# Altium PCB Gesturelink V1.PcbDoc (part 8 of 9)
Units mil, origin at the board's own origin, x right, y up, seen from the top; angles counter-clockwise.
Board outline 1574.8 x 1377.95 mil, 12 copper layers (SIG_1, GND_1, HI_SPEED_SIG_1, HI_SPEED_SIG_2, GND_2, PWR_1, PWR_2, GND_3, SIG_2, SIG_3, GND, SIG_4), stack 76.312 mil thick; 506 components, 440 nets, 2250 pads, 1330 vias.
Unrouted connection lines stored in the file: 20.
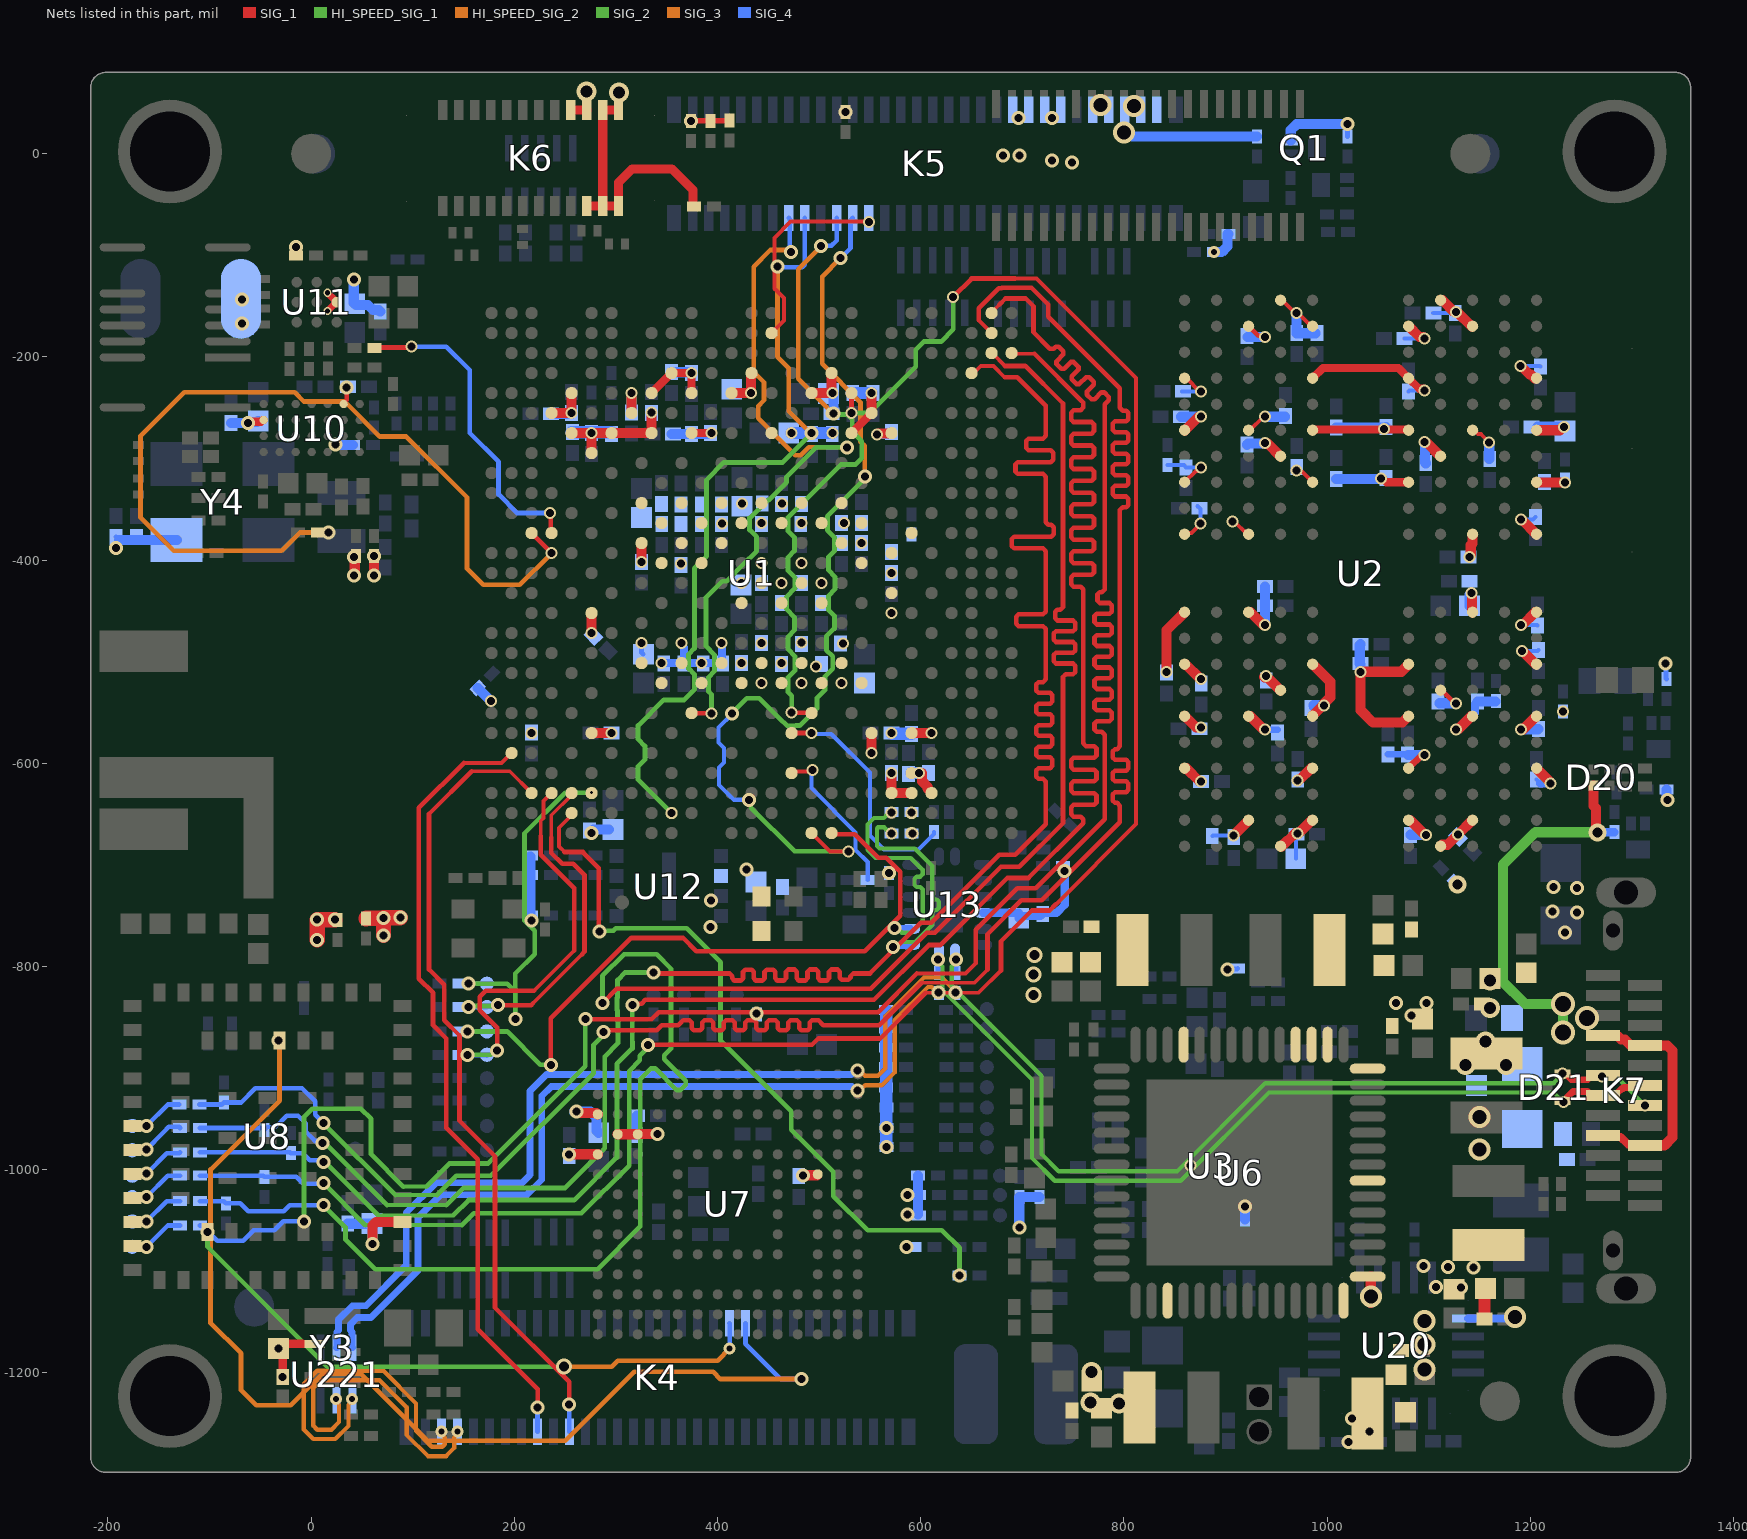
[diagram p18: the nets of this part, all layers, seen from the top]

## Nets (pads, with @x,y where several pads share a name; then routed paths per layer and width w, separated by ;. In a path a pad name is that pad's centre, name@x,y a point inside that pad or via, vN(x,y) a via of type N, cw(c..) or ccw(c..) an arc to the next point about the centre after c; other vN are vias at no path point) (continued)
SYS_1V8: C72.2 C73.2 C74.2 C75.2 C76.2 C77.2 C78.2 C79.2 C80.2 C81.2 C82.2 C93.2 C94.2 C187.2 C188.2 C189.2 C190.2 C191.2 C192.2 C230.2 C231.2 C248.2 C249.2 C250.2 DNC.2 K5.41 K5.43 K6.18 K6.20 L3.2 L4.2 R119.2 U1.AAE1 U1.AB3 U1.AB6 U1.AD22 U1.AE23 U1.AG6 U1.F20 U1.G5 U1.G7 U1.G9 U1.G19 U1.H6 U6.17 U6.35 U10.C7 U10.D2 Y3.4 | length 574.7
  SIG_1 w4.2: v54(-32,-1175.99) C230.2@-28,-1179.99 ; v1(216.94,-570.31) U1.AB3@219.1,-570.31 ; v1(551.58,-235.67) v1@553,-235.67
  SIG_1 w4.63: U10.D2@31.99,-246.5 31.99,-245.53 35,-242.52 v2(35,-229.99) ; v14(42,-415.36) v14@43,-414.36 ; v14(42,-396.99) R119.2@43,-397.99 ; v2(71.11,-752.36) v2@71.29,-752.17 ; v2@87.82,-752.17 v2(88,-751.99) ; C187.2@1155,-1117.82 C187.2@1155.83,-1116.99
  SIG_1 w8: v2(-62,-265.03) -60.89,-263.92 -49.39,-263.92 -47.75,-262.28 -46.78,-262.28 U10.C7@-46.75,-262.24 ; v54(-32,-1175.99) -27.44,-1171.43 -8.56,-1171.43 -8.43,-1171.56 Y3.4@3.28,-1171.56 ; v54(-28,-1203.99) C230.2@-28,-1179.99 ; U1.G19@531.9,-275.04 U1.F20@551.58,-255.35
  SIG_1 w9: K6.18@255.5,43.01 K6.20@271.24,43.01
  SIG_1 w10: v14@43,-414.36 R119.2@43,-397.99 ; U1.G5@256.31,-275.04 U1.G7@295.68,-275.04 U1.G9@333,-275.04 ; U1.AB6@275.99,-570.31 v1(295.68,-570.32) ; U1.H6@275.99,-294.72 v1(275.99,-275.04) ; v1(325.2,-401.9) U1.AAE1@325.2,-383.31 ; U1.G9@335.05,-275.04 v1(335,-254.99) ; U1.F20@551.58,-255.35 v1(551.58,-235.67) ; U1.AD22@590.95,-609.68 v1@598.49,-609.68 ; v1(598.49,-609.77) v1@598.49,-609.68 ; v1@601,-609.68 v1@598.49,-609.68 ; v1@601.04,-609.68 601.35,-609.99 601.35,-617.7 606.56,-622.91 606.56,-624.69 610.64,-628.77 U1.AE23@610.64,-629.37
  SIG_1 w12: C189.2@1155,-1146.99 C187.2@1155,-1117.82
  SIG_1 w15: DNC.2@54,-752.99 54.32,-752.67 70.79,-752.67 v2(71.11,-752.36) v2(71.11,-769.36) ; v2@71.29,-752.17 v2@87.82,-752.17
  SIG_4 w4.2: C81.2@295.68,-275.83 C81.2@295.68,-274.25 ; C74.2@533,-235.76 C74.2@533,-235.67 ; C78.2@590.95,-610.47 C78.2@590.95,-609.69
  SIG_4 w4.63: v2(275.99,-668.74) 275.99,-667.16 C94.2@277.99,-665.17 ; v1(295.68,-570.32) C77.2@296.45,-569.54
  SIG_4 w10: C248.2@-79,-265.23 -78.9,-265.13 -62.1,-265.13 v2(-62,-265.03) ; v2(-62,-265.03) -61.31,-264.3 -53.14,-264.3 C249.2@-52,-263.17 ; C94.2@277.99,-665.17 C93.2@293,-665.17
  SIG_4 w12: C80.2@256.31,-274.25 C81.2@295.68,-274.25 ; C74.2@532,-235.67 533,-235.67 v1(551.58,-235.67) ; C78.2@590.95,-609.69 591.16,-609.69 591.25,-609.77 v1(598.49,-609.77)
  other v14: 1106.94,-1115.57 1131.83,-1115.99 1119,-1095.99 1143.89,-1096.42 1095,-1094.99
  other v24: 681,-1.99 697,-1.99 696,35.01
  other v40: 795,-1229.99 767,-1228.99 768,-1198.99 271,61.01
SYS_3V3: C15.2 C17.2 C19.2 C20.2 C21.2 C70.1 C86.2 C87.2 C88.2 C89.2 C90.2 C91.2 C95.2 C96.2 C181.2 C182.2 C183.2 C227.2 C228.2 C244.2 C245.2 C257.2 C258.2 C263.2 C264.2 C265.2 C266.2 K5.45 K5.47 K6.19 K6.21 K6.22 K6.23 K6.24 L1.2 Q1.2 R3.1 R13.1 R14.1 R15.1 R21.1 R26.1 R27.1 R28.1 R29.1 R89.2 R107.2 R118.2 R120.2 R121.2 R122.2 R123.2 R125.2 R130.2 R138.1 R144.1 R145.1 R146.1 R151.1 R156.1 R162.1 R164.1 R169.1 R170.1 U1.AAL1 U1.AAL3 U1.AAL5 U1.AAM2 U1.AAM4 U1.AB20 U1.AB22 U1.AE21 U1.AE22 U1.D10 U1.D14 U1.E9 U1.E11 U1.E13 U1.G11 U3.C2 U6.29 U6.53 U8.3 U11.B1 U12.2 U13.4 Y4.4 | length 1520.4
  SIG_1 w4.2: U1.D14@433,-215.98 U1.D14@433.47,-215.98 ; U6.29@1039.87,-1105.37 U6.29@1043,-1105.37
  SIG_1 w4.58: R107.2@-15.1,-100.5 -15,-100.39 v2(-15,-91.99) ; v40(303,60.01) v40@305.39,62.39
  SIG_1 w5.12: v17(374,31.85) 374.42,32.27 411.58,32.27 R122.2@412,32.69
  SIG_1 w7: v60(16,-154.99) 16.23,-154.99 25.04,-146.18 25.23,-146.18 v60(16,-136.99)
  SIG_1 w8: U1.E9@335.05,-235.67 U1.D10@354.73,-215.98 v1(374.42,-215.98) U1.E11@374.42,-235.67 ; U1.G11@374.42,-275.04 v1(394.1,-275.04)
  SIG_1 w9: K6.19@271.24,-51.48 K6.21@286.99,-51.48 ; K6.24@302.62,43 K6.22@286.99,43.01 K6.21@286.99,-51.48 ; R125.2@377,-51.99 375.68,-50.67 375.68,-35.67 355,-14.99 316,-14.99 302.62,-28.37 K6.23@302.62,-51.48 K6.21@286.99,-51.48
  SIG_1 w10: v2(60.3,-1072.99) 60.3,-1055.12 63.68,-1051.73 U8.3@89.73,-1051.73 ; v17(62,-415.36) v17(62,-395.99) ; U1.E13@413.79,-235.67 v1(433,-235.67) U1.D14@433,-215.98 ; v1(551.58,-590) U1.AB20@551.58,-570.31 ; v1(571.27,-609.69) U1.AE21@571.27,-629.37 U1.AE22@590.95,-629.37 ; U1.AB22@590.95,-570.31 591.09,-570.18 610.24,-570.18 v1(610.37,-570.05) ; v68@1043,-1130.99 v68(1043,-1124.99) U6.29@1043,-1105.37
  SIG_1 w15: v17(6,-773.99) v17(6,-753.99) v17(23.37,-753.99)
  SIG_4 w4: R164.1@1333.84,-625.99 R164.1@1334,-626.15
  SIG_4 w4.2: v1(571.27,-570.32) C95.2@572.06,-571.1
  SIG_4 w4.58: C257.2@-192,-377.23 C257.2@-188.83,-380.39 ; v26(24,-286.35) v26@24.32,-286.67 ; R138.1@41,-286.67 R138.1@41.32,-286.99 ; C245.2@42,-146.82 C245.2@43,-147.82 ; R3.1@164.04,-525.95 R3.1@164.04,-525.95 ; R144.1@215.59,-691.71 R144.1@216.32,-690.99 ; v1(325.2,-481.73) 325.2,-491.02 C21.2@327,-492.82 ; C90.2@373.63,-215.2 v1(374.42,-215.98) ; C86.2@414,-235.82 C86.2@414.15,-235.67 ; R28.1@597.31,-1044.15 R28.1@598.16,-1044.99 ; v26(902,-802.99) 902.5,-802.49 911.66,-802.49 R15.1@912.16,-801.99 ; R130.2@1020,16.85 v2(1020,29.01) ; v2(1333,-501.99) 1333.5,-502.49 1333.5,-516.65 R151.1@1334,-517.15
  SIG_4 w8: v1(344.89,-501.42) C20.2@367,-501.42 ; v1(364.57,-481.73) 364.57,-483.69 367,-486.12 C20.2@367,-501.42 ; C20.2@367,-501.76 C20.2@367,-501.42 ; v1(403.95,-481.73) 404.47,-482.26 404.47,-501.23 C17.2@404.66,-501.42 ; C17.2@405,-501.76 C17.2@404.66,-501.42 ; C86.2@414.15,-235.67 v1(433,-235.67) ; U13.4@661.43,-747.22 C265.2@696.43,-747.22 ; C265.2@696.43,-752.65 698.52,-750.56 717.7,-750.56 720,-748.26 720,-747.99 720.61,-747.38 733.61,-747.38 741.7,-739.29 v26(741.7,-706.29) ; C20.2@367,-501.42 v1(384.26,-501.42) C17.2@404.66,-501.42
  SIG_4 w10: C257.2@-188.83,-380.39 Y4.4@-132.28,-380.39 ; v26@24.32,-286.67 R138.1@41,-286.67 ; C228.2@36,-1053.23 C227.2@60.3,-1053.23 ; C245.2@42,-146.82 v2(42,-123.99) ; C245.2@43,-147.82 44.17,-148.99 56,-148.99 61,-153.99 66.47,-153.99 C244.2@68,-155.52 ; v2(60.3,-1072.99) C227.2@60.3,-1053.23 ; C227.2@60.3,-1053.17 C227.2@60.3,-1053.23 ; R3.1@164.04,-525.95 v58(177,-538.99) ; R144.1@215.59,-691.71 215.59,-749.99 217,-751.4 v26(217,-754.99) ; C87.2@354.73,-215.2 C90.2@373.63,-215.2 ; C88.2@355,-275.99 C88.2@356.24,-275.99 393.15,-275.99 v1(394.1,-275.04) ; R28.1@597.31,-1044.15 R26.1@597.31,-1005.99 ; v26(697,-1056.99) R14.1@697,-1026.99 716.65,-1026.99 R13.1@716.75,-1027.09 ; v69(888.84,-96.99) 896.15,-96.99 902.01,-91.13 902.01,-79.07 902.09,-78.99 R169.1@903,-78.99 ; R21.1@919,-1048.99 919.08,-1048.91 919.08,-1036.62 v26(919.3,-1036.4) ; Q1.2@964.2,12.9 964.2,23.21 970,29.01 v2(1020,29.01) ; v2@1334,-636.07 R164.1@1334,-626.15
  SIG_4 w12: C95.2@572.06,-571.1 C96.2@590.95,-571.1
  other v2: 586.05,-1075.99 587,-1043.99 587,-1024.99 1335,-636.07 -192,-387.99
  other v17: 525.79,40.8
  other v24: 749,-8.99 729.08,-6.95 729,35.01
  other v26: 569,-708.15 428.38,-704.61
  other v51: 711,-827.99 711,-807.99 712,-788.99
  other v55: 16,-154.99 16,-136.99
  other v58: 865.63,-995.99
TDI: K4.20 U1.AE3 | length 792.5
  SIG_1 w3.6: 172,-607.92 195.48,-607.92 U1.AE3@216.94,-629.37
  SIG_1 w3.7: 158.07,-607.92 172,-607.92
  SIG_1 w4.58: 158.07,-607.92 116,-649.99 116,-802.99 131,-817.99 131,-852.99 146,-867.99 146,-951.99 181,-986.99 181,-1135.99 254,-1208.99 v2(254,-1230.99)
  SIG_4 w4.58: v2(254,-1230.99) 254.12,-1231.11 254.12,-1257.87 K4.20@254.24,-1257.99
TDO: K4.16 U1.AC2 | length 776.2
  SIG_1 w3.6: 168.66,-599.84 187.41,-599.84 U1.AC2@197.25,-590
  SIG_1 w3.7: 150.15,-599.84 168.66,-599.84
  SIG_1 w4.58: 150.15,-599.84 106,-643.99 106,-811.99 120,-825.99 120,-857.99 133,-870.99 133,-958.99 164,-989.99 164,-1156.99 223,-1215.99 v2(223,-1233.99)
  SIG_4 w4.58: K4.16@222.74,-1257.99 222.87,-1257.86 222.87,-1234.12 v2(223,-1233.99)
TIM20_PWM: K5.24 U1.B15 | length 201.8
  SIG_1 w4: U1.B15@453.16,-176.61 465.34,-164.43 465.34,-142.33 456,-132.99 456,-82.99 472,-66.99 v1@548.63,-66.99
  other v1: 548.88,-67.34
UART5_RX: R111.1 U1.M4 | length 319.3
  SIG_1 w4.63: R111.1@59.58,-191.5 60.33,-190.74 98.25,-190.74 v1(99,-189.99) ; v1(235.04,-353.77) 235.83,-354.56 235.83,-372.67 U1.M4@236.62,-373.46
  SIG_4 w4.63: v1(99,-189.99) 133,-189.99 156,-212.99 156,-274.99 184.48,-303.47 184.48,-335.47 202.78,-353.77 v1(235.04,-353.77)
UART5_TX: R110.1 U1.M3 | length 879
  SIG_1 w4.63: R110.1@6.84,-372.99 v37(17,-372.99) ; U1.M3@216.94,-373.46 v1(236.62,-393.15)
  SIG_3 w4.63: v37(17,-372.99) -11,-372.99 -29,-390.99 -135,-390.99 -168,-357.99 -168,-277.99 -125,-234.99 -16.35,-234.99 -7.35,-243.99 33,-243.99 67.5,-278.49 93.5,-278.49 153.5,-338.49 153.5,-408.49 169.5,-424.49 205.28,-424.49 v1(236.62,-393.15)
UART8_CTS: R78.1 TP26.12 U1.AG18 | length 683.8
  SIG_1 w4.58: v21(235.94,-896.93) 235.94,-851.05 315,-771.99 366,-771.99 379,-784.99 545,-784.99 580,-749.99 580,-706.99 566.07,-693.07 558.07,-693.07 536.99,-671.98 535.07,-670.07 513.54,-670.07 U1.AG18@512.21,-668.74
  SIG_2 w4.67: v7(154,-863.99) 192.88,-863.99 225.73,-896.84 235.84,-896.84 v21(235.94,-896.93)
  SIG_4 w4.58: v7(154,-863.99) TP26.12@173,-863.99
UART8_RTS: R80.1 TP28.12 U1.AE6 | length 371.9
  HI_SPEED_SIG_1 w4.63: v21(201,-851.99) 201,-806.99 220,-787.99 220,-764.99 210,-754.99 210,-668.99 250,-628.99 v4(276,-628.99)
  SIG_2 w4.67: v7(155,-816.99) 193,-816.99 201,-824.99 v21(201,-851.99)
  SIG_4 w4.58: v7(155,-816.99) TP28.12@173,-816.99
  other v3: 276,-628.99
UART8_RX: R77.1 TP25.12 U1.AE4 | length 395.2
  SIG_1 w3.6: 219.32,-823.99 258.91,-784.4 ; 226,-671.78 226,-656.74 228.78,-653.96 228.78,-637.22 U1.AE4@236.62,-629.37
  SIG_1 w4: 226,-689.99 226,-671.78
  SIG_1 w4.58: v21(183.18,-882.99) 183.18,-860.17 166,-842.99 166,-829.99 172,-823.99 219.32,-823.99 ; 226,-689.99 258.91,-722.9 258.91,-784.4
  SIG_2 w4.67: v7(154,-886.99) 176.71,-886.99 180.71,-882.99 v21(183.18,-882.99)
  SIG_4 w4.58: v7(154,-886.99) 154.5,-887.49 172.5,-887.49 TP25.12@173,-887.99
UART8_TX: R79.1 TP27.12 U1.AE5 | length 339
  SIG_1 w3.6: 218.19,-836.54 266.19,-788.54 ; 236.39,-672.99 236.39,-651.35 U1.AE5@256.31,-631.43
  SIG_1 w4.58: v21(184,-838.17) 216.56,-838.17 218.19,-836.54 ; 236.39,-672.99 236.39,-688.38 247,-698.99 258,-698.99 269,-709.99 269,-785.73 266.19,-788.54 ; U1.AE5@256.31,-631.43 U1.AE5@256.31,-629.37
  SIG_2 w4.67: v7(155,-839.99) 155.91,-839.08 183.09,-839.08 v21(184,-838.17)
  SIG_4 w4.58: v7(155,-839.99) TP27.12@173,-839.99
USART2_RX: K5.20 U1.AA17 | length 624.6
  SIG_1 w4.58: v1(473,-549.99) 473.32,-550.31 492.21,-550.31 U1.AA17@492.53,-550.63
  SIG_2 w4.67: v1(473,-549.99) 473,-533.62 469.45,-530.06 469.45,-515.62 476.24,-508.82 476.24,-494.62 469.45,-487.82 469.45,-475.44 475.74,-469.15 475.74,-456.26 467.95,-448.47 467.95,-436.26 476.24,-427.96 476.24,-417.19 469.45,-410.4 469.45,-397.36 475.74,-391.07 475.74,-377.75 469.45,-371.46 469.45,-358.14 521.59,-305.99 536,-305.99 542,-299.99 542,-283.34 532.55,-273.88 532.55,-261.54 527.89,-256.88 514.89,-256.88 v8(514,-255.99)
  SIG_3 w4.63: v12(502,-90.99) 479.31,-113.68 479.31,-221.46 513.84,-255.99 v8(514,-255.99)
  SIG_4 w4.58: v12(502,-90.99) 502.19,-90.8 512.11,-90.8 517.39,-85.52 K5.20@517.39,-63.34
USART2_TX: K5.22 U1.AG17 | length 943.3
  SIG_1 w4: U1.AG17@492.53,-668.74 510.54,-686.75 v9(528.77,-686.75)
  SIG_2 w4.67: v7(414,-550.99) 429,-535.99 441,-535.99 460.6,-555.59 460.8,-555.59 468.44,-563.23 476.76,-563.23 477,-562.99 481,-562.99 497.91,-546.08 497.91,-535.74 505.82,-527.83 505.82,-514.38 513.29,-506.9 513.29,-494.88 507.14,-488.74 507.14,-475.29 515.11,-467.32 515.11,-455.1 509.32,-449.31 509.32,-435.08 515.61,-428.79 515.61,-416.4 509.32,-410.1 509.32,-396.96 515.11,-391.17 515.11,-377.52 508.14,-370.55 508.14,-356.9 545,-320.03 v8(545,-317.99) ; v7(431,-635.99) 432.74,-637.74 432.74,-643.74 475.76,-686.75 v9(528.77,-686.75)
  SIG_3 w4.63: v12(521,-102.99) 503,-120.99 503,-206.97 540.67,-244.65 540.67,-283.43 545,-287.76 v8(545,-317.99)
  SIG_4 w4: v7(414,-550.99) 414,-551.85 400.88,-564.97 400.88,-579.63 406.26,-585.01 406.26,-599.36 401.29,-604.34 401.29,-621.28 416,-635.99 v7(431,-635.99)
  SIG_4 w4.58: v12(521,-102.99) 530.89,-93.1 530.89,-65.58 K5.22@533.13,-63.34
USART6_RX: K5.14 U1.AA11 | length 713.1
  SIG_1 w4.58: U1.AA11@374.42,-550.63 374.6,-550.81 393.82,-550.81 v1(394,-550.99)
  SIG_2 w4.67: v1(394,-550.99) 394,-532.17 391.21,-529.38 391.21,-515.32 397,-509.52 397,-493.31 388.65,-484.96 388.65,-436.81 404.66,-420.8 409.01,-420.8 425.02,-404.79 425.02,-404.68 438.37,-391.33 438.37,-377.2 431.58,-370.41 431.58,-358.76 449.31,-341.03 450.21,-341.03 467.95,-323.3 467.95,-318.15 496.95,-289.14 v8(527.67,-289.14)
  SIG_3 w4.63: v12(472.29,-96.64) 470.54,-94.88 452.11,-94.88 435.71,-111.28 435.71,-215.11 445.72,-225.12 445.72,-242.72 439.94,-248.51 439.94,-260.37 476.56,-296.99 482,-296.99 490,-288.99 527.52,-288.99 v8(527.67,-289.14)
  SIG_4 w4.58: K5.14@470.14,-63.34 471.22,-64.41 471.22,-95.56 v12(472.29,-96.64)
USART6_TX: K5.16 U1.AF10 | length 767.1
  SIG_2 w4.67: v9(354.73,-649.06) 321.81,-616.13 321.81,-603.24 328.58,-596.47 328.58,-583.07 321.81,-576.3 321.81,-562.91 346.96,-537.75 367.24,-537.75 377.31,-527.68 377.31,-512.49 371.52,-506.69 371.52,-492.8 377.31,-487.01 377.31,-408.27 389.21,-396.38 389.21,-320.93 406.14,-303.99 464,-303.99 492.32,-275.67 v8(492.32,-275.04)
  SIG_3 w4.63: v12(459,-110.99) 459,-199.99 470.05,-211.04 470.05,-253.4 491.7,-275.04 v8(492.32,-275.04)
  SIG_4 w4.58: v12(459,-110.99) 460,-111.99 483.21,-111.99 485.89,-109.31 K5.16@485.89,-63.34
USB3.0_A_D_N: R149.1 U13.9 | length 229.2
  HI_SPEED_SIG_1 w4.25: v53@571.84,-668.65 569.5,-668.65 563.97,-663.12 557.86,-663.12 556.88,-664.1 556.88,-681.5 559.36,-683.99 594.08,-683.99 611.25,-701.16 611.25,-722.39 611.25,-731.71 613.74,-734.2 615.76,-734.2 617.81,-736.25 617.81,-742.4 615.76,-744.44 613.74,-744.44 611.25,-746.93 611.25,-759.31 594.55,-776.01 580.2,-776.01 575.47,-780.74 v59(572.95,-780.74)
  SIG_4 w6.66: v59(572.95,-780.74) 574.31,-779.38 579.23,-779.38 579.29,-779.32 589.96,-779.32 U13.9@590.57,-778.72
  other v53: 571.23,-669.03
USB3.0_A_D_P: R148.1 U13.10 | length 228.9
  HI_SPEED_SIG_1 w4.25: v53(571,-648.34) 569.28,-648.34 563.75,-653.87 554.03,-653.87 547.63,-660.27 547.63,-685.33 555.53,-693.24 573.4,-693.24 590.25,-693.24 602,-704.99 602,-706.41 602,-708.54 602,-709.17 599.51,-711.65 595.94,-711.65 593.89,-713.7 593.89,-719.85 595.94,-721.9 599.51,-721.9 602,-724.39 602,-726.52 602,-753.89 602,-755.48 590.72,-766.76 581.25,-766.76 576.49,-761.99 v59(574,-761.99)
  SIG_4 w6.66: v59(574,-761.99) 574.49,-762.48 590.08,-762.48 U13.10@590.57,-762.97
USB3.0_BACK_N: K4.6 U221.2 | length 300.6
  SIG_3 w4.25: v27(24.25,-1225.99) 24.25,-1228.04 27.5,-1231.29 27.5,-1248.49 20,-1255.99 6,-1255.99 2,-1251.99 2,-1215.07 9.83,-1207.24 67.25,-1207.24 94,-1233.99 94,-1261.07 114.94,-1282.01 132.84,-1282.01 140.75,-1274.1 140.75,-1263.29 144,-1260.04 v36(144,-1257.99)
USB3.0_BACK_P: K4.4 U221.1 | length 331.2
  SIG_3 w4.25: v27(40,-1225.99) 40,-1228.04 36.75,-1231.29 36.75,-1252.32 23.83,-1265.24 2.17,-1265.24 -7.25,-1255.82 -7.25,-1211.24 6,-1197.99 71.08,-1197.99 103.25,-1230.16 103.25,-1257.24 118.77,-1272.76 129.01,-1272.76 131.5,-1270.27 131.5,-1263.29 128.25,-1260.04 v36(128.25,-1257.99)
USB3.0_BB_N: R171.1 U221.5 | length 895.3
  HI_SPEED_SIG_2 w4.3: v20(537.87,-902.49) 540.03,-902.49 545.13,-907.59 557.94,-907.59 565,-900.54 565,-849.2 603.26,-810.94 620.69,-810.94 633.94,-824.19 v20@633.94,-825.93
  SIG_4 w6.66: U221.5@25,-1175.4 25.41,-1174.99 25.41,-1159.79 27.04,-1158.16 27.04,-1147.5 40.55,-1133.99 54,-1133.99 93.54,-1094.46 93.54,-1042.46 123,-1012.99 207.5,-1012.99 215.34,-1005.16 215.34,-922.73 231.55,-906.51 531.93,-906.51 535.94,-902.49 v20(537.87,-902.49)
  other v20: 634.44,-825.93
USB3.0_BB_P: R172.1 U221.6 | length 855
  HI_SPEED_SIG_2 w4.3: v20(538,-921.99) 540.16,-921.99 545.26,-916.89 561.8,-916.89 574.3,-904.39 574.3,-853.06 607.11,-820.25 610.68,-820.25 616.36,-825.93 v20@617.94,-825.93
  SIG_4 w6.66: U221.6@40.75,-1175.4 40.34,-1174.99 40.34,-1159.79 38.71,-1158.16 38.71,-1152.33 45.38,-1145.66 58.83,-1145.66 105.2,-1099.29 105.2,-1047.29 127.83,-1024.66 212.34,-1024.66 227,-1009.99 227,-927.56 236.39,-918.17 532.25,-918.17 536.07,-921.99 v20(538,-921.99)
  other v20: 617.44,-825.93
USB3.0_D_N: R149.2 U1.AG22
  other v1: 591.84,-668.99
USB3.0_D_P: R148.2 U1.AF22
  other v1: 591,-648.34
USB_MUX_RST: R158.1 U1.AB16 | length 232.2
  SIG_1 w4.58: U1.AB16@472.84,-570.31 v1(492.53,-570.32)
  SIG_4 w4: v1(492.53,-570.32) 493.28,-571.07 511.93,-571.07 550,-609.14 550,-670.99 564,-684.99 597.81,-684.99 613,-669.8 R158.1@613,-667.83
USB_MUX_SW: R160.1 U1.AD16 | length 153.5
  SIG_1 w4: U1.AD16@472.84,-609.68 474.37,-608.15 491.94,-608.15 v1(493.44,-606.66)
  SIG_4 w4: v1(493.44,-606.66) 492.53,-607.57 492.53,-624.52 536,-667.99 536,-685.57 547.84,-697.41 R160.1@547.84,-714.99
USB_N: D21.2 K7.A7 K7.B7 R171.2 U13.7 | length 900.8
  SIG_1 w6.66: v1(1231.86,-905.61) 1235.8,-905.61 1236.4,-906.21 1236.4,-907.57 1240.3,-911.47 1256.23,-911.47 1260.24,-907.46 1269.47,-907.46 v1(1270.5,-908.49) 1270.63,-908.49 K7.A7@1271.66,-907.46
  HI_SPEED_SIG_1 w4.25: v2(634.87,-793.24) 634.87,-795.82 630.62,-800.07 630.62,-819.37 718.83,-907.57 718.83,-984.74 735.83,-1001.74 852.17,-1001.74 939.03,-914.88 1222.9,-914.88 1231.86,-905.93 v1(1231.86,-905.61) ; v1(1270.5,-908.49) 1284.5,-908.49 v1(1313,-936.99)
  SIG_4 w6.66: U13.7@633.94,-793.24 633.94,-804.24 R171.2@634,-804.31
USB_P: D21.1 K7.A6 K7.B6 R172.2 U13.8 | length 907.4
  SIG_1 w6.66: v1(1232.5,-933.41) 1232.5,-932.63 1241.99,-923.14 1256.23,-923.14 1260.24,-927.15 K7.A6@1271.66,-927.15 ; K7.A6@1271.66,-926.46 1272.96,-925.17 1285.06,-925.17 1290.18,-920.05 1291.4,-920.05 1292.16,-919.29 1311.02,-919.29 K7.B6@1313,-917.31
  HI_SPEED_SIG_1 w4.25: v2(617.13,-793.24) 617.13,-795.82 621.38,-800.07 621.38,-823.2 709.58,-911.4 709.58,-988.57 732,-1010.99 856,-1010.99 942.86,-924.13 1222.9,-924.13 1232.18,-933.41 v1(1232.5,-933.41)
  SIG_4 w6.66: R172.2@618,-804.31 618.06,-804.24 U13.8@618.06,-793.24
USB_VIN: D15.2 D20.1 F1.2 K5.51 K5.53 K5.55 K5.57 K5.59 K7.A4 K7.A9 K7.B4 K7.B9 R128.1 R165.1 | length 747.4
  SIG_1 w8: K7.A4@1283.08,-966.52 1284.39,-967.83 1288.84,-967.83 1296.06,-975.05 K7.B9@1311.63,-975.05
  SIG_1 w10: D20.1@1262.13,-621.87 1262.13,-641.98 1264.52,-644.38 1264.52,-666.52 v16(1266,-667.99) ; K7.A4@1271.66,-966.52 K7.A4@1283.08,-966.52 ; K7.A9@1271.66,-868.09 1271.98,-868.41 1285.83,-868.41 1289.42,-871.99 1293,-871.99 1298.63,-877.62 1312.69,-877.62 K7.B4@1313,-877.94 1334.94,-877.94 1340,-882.99 1340,-968.26 1332.21,-976.05 1313.31,-976.05 K7.B9@1313,-976.36
  SIG_2 w10: v57(1232,-864.99) v57@1232,-837.99 ; v57(1232,-836.99) 1195,-836.99 1173,-814.99 1173,-699.99 1205,-667.99 v16(1266,-667.99)
  SIG_4 w4: R165.1@1282.84,-667.99 R165.1@1283,-667.83
  SIG_4 w4.58: v52(800,20.75) 804.57,20.75 v52@808.46,16.85
  SIG_4 w8: v16(1266,-667.99) R165.1@1282.84,-667.99
  SIG_4 w10: v52@808.46,16.85 R128.1@931,16.85
  other v52: 810,47.01 777,48.01
  other v65: 1256,-850.99
VBACKUP: C18.2 P1.1 U1.T6 | length 19.7
  SIG_1 w10: v1(275.99,-471.89) U1.T6@275.99,-452.2
  other v26: -68,-166.99 -68,-143.63
VDD_EMMC: C83.2 C85.2 C221.2 C222.2 C223.2 C224.2 C225.2 DNC20.2 R44.2 R45.2 R46.2 R47.2 R48.2 R49.2 R50.2 R51.2 R52.2 R65.2 U1.D18 U1.E17 U7.C6 U7.M4 U7.N4 U7.P3 U7.P5 | length 387.8